# KiCad board FetsAndCrosses.kicad_pcb (continued)
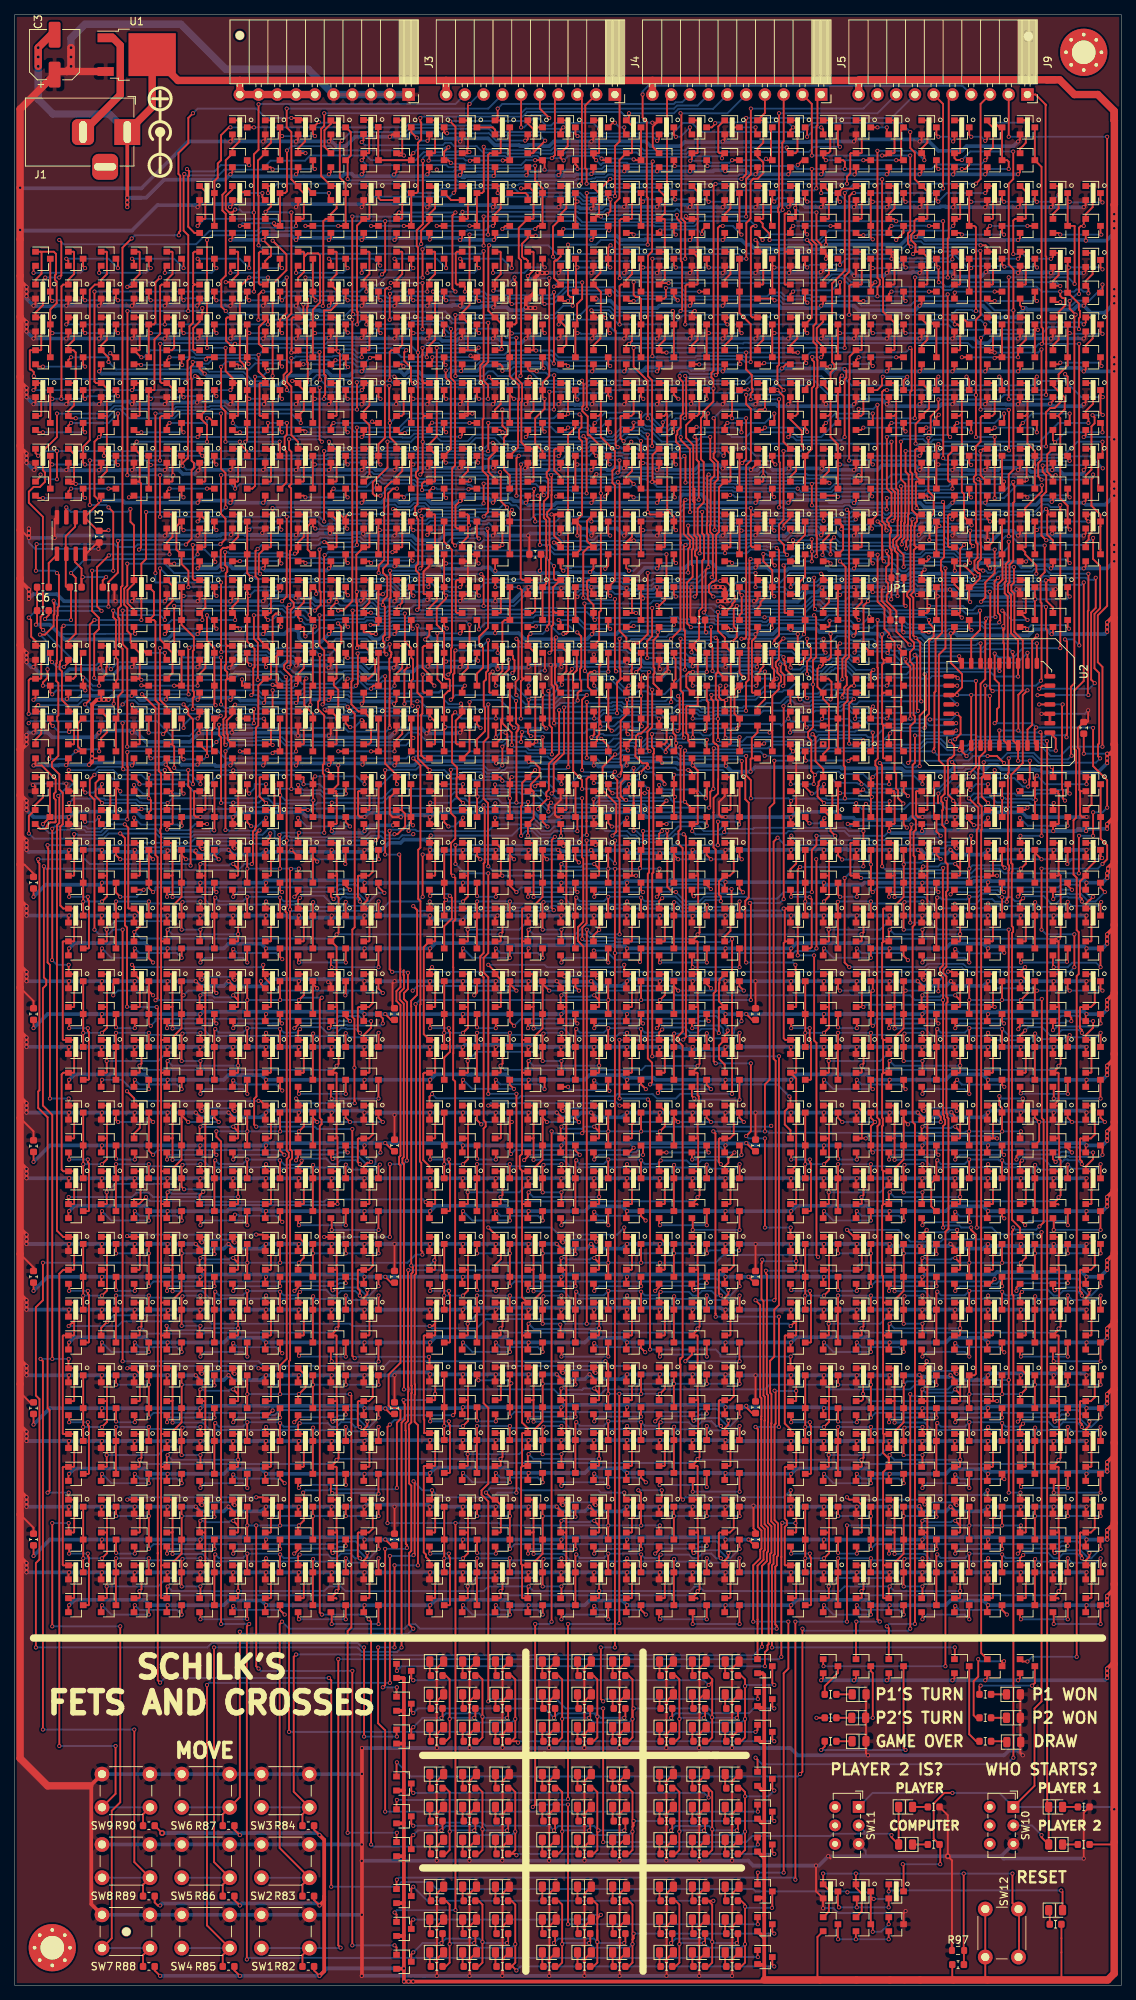
[diagram p0: board, top side]
## Nets (continued)
/PlayerMem_1/sheet5F18011D/sheet5EFB6E86/sheet5EFA557C/A: Q173.3 Q174.3 Q175.3 Q178.3 Q179.1 Q180.1 Q183.1 Q185.1 Q203.1 Q204.1
/PlayerMem_1/sheet5F18011D/sheet5EFB6E86/sheet5EFA6019/A: Q187.1 Q188.1 Q189.3 Q190.3 Q191.3 Q194.3 Q201.1 Q202.1
/PlayerMem_1/sheet5F18011D/sheet5F46F157/A: Q163.1 Q164.1 Q181.1 Q182.1 Q195.3 Q196.3 Q197.3 Q200.3
/PlayerMem_1/sheet5F18011D/sheet5F46F157/B: Q165.1 Q166.1 Q167.3 Q168.3 Q170.3
/PlayerMem_1/sheet5F18011E/sheet5EFB6E86/D: Q171.3 Q172.3 Q206.3 Q235.1 Q236.1
/PlayerMem_1/sheet5F18011E/sheet5EFB6E86/sheet5EFA4EF6/A: Q215.1 Q217.1 Q243.3 Q244.3 Q246.3
/PlayerMem_1/sheet5F18011E/sheet5EFB6E86/sheet5EFA5AF5/A: Q225.3 Q226.3 Q227.3 Q230.3 Q231.1 Q233.1 Q241.1 Q242.1
/PlayerMem_1/sheet5F18011E/sheet5EFB6E86/sheet5EFA557C/A: Q215.3 Q216.3 Q217.3 Q220.3 Q221.1 Q222.1 Q225.1 Q227.1 Q245.1 Q246.1
/PlayerMem_1/sheet5F18011E/sheet5EFB6E86/sheet5EFA6019/A: Q229.1 Q230.1 Q231.3 Q232.3 Q233.3 Q236.3 Q243.1 Q244.1
/PlayerMem_1/sheet5F18011E/sheet5F46F157/A: Q171.1 Q172.1 Q223.1 Q224.1 Q237.3 Q238.3 Q239.3 Q242.3
/PlayerMem_1/sheet5F18011E/sheet5F46F157/B: Q205.1 Q206.1 Q207.3 Q208.3 Q210.3
/PlayerMem_1/~{R}: Q1.3 Q2.3 Q6.1 Q8.1 Q22.1 Q24.1 Q28.1 Q30.1 Q48.1 Q50.1 Q64.1 Q66.1 Q70.1 Q72.1 Q90.1 Q92.1 Q106.1 Q108.1 Q112.1 Q114.1 Q132.1 Q134.1 Q148.1 Q150.1 Q154.1 Q156.1 Q174.1 Q176.1 Q190.1 Q192.1 Q196.1 Q198.1 Q216.1 Q218.1 Q232.1 Q234.1 Q238.1 Q240.1 Q258.1 Q260.1 Q274.1 Q276.1 Q280.1 Q282.1 Q300.1 Q302.1 Q316.1 Q318.1 Q322.1 Q324.1 Q342.1 Q344.1 Q358.1 Q360.1 Q364.1 Q366.1
/PlayerMem_2/0: J5.1 Q495.1 Q496.1 Q547.1 Q549.1 Q577.1 Q579.1 Q589.1 Q591.1 Q715.1 Q716.1 Q949.3 Q950.3 Q952.3 Q965.1 Q967.1 Q1322.1 U2.26
/PlayerMem_2/1: J5.2 Q517.1 Q518.1 Q548.1 Q550.1 Q559.1 Q561.1 Q767.1 Q768.1 Q991.3 Q992.3 Q994.3 Q1007.1 Q1009.1 Q1324.1 U2.23
/PlayerMem_2/2: J5.3 Q545.1 Q546.1 Q551.1 Q552.1 Q565.1 Q567.1 Q587.1 Q588.1 Q719.1 Q720.1 Q1033.3 Q1034.3 Q1036.3 Q1049.1 Q1051.1 Q1326.1 U2.25
/PlayerMem_2/3: J5.4 Q521.1 Q522.1 Q553.1 Q555.1 Q578.1 Q580.1 Q723.1 Q724.1 Q1075.3 Q1076.3 Q1078.3 Q1091.1 Q1093.1 Q1328.1 U2.4
/PlayerMem_2/Sheet5EFB6D22/sheet5EFB6E86/D: Q963.1 Q964.1 Q1103.3 Q1104.3 Q1106.3
/PlayerMem_2/Sheet5EFB6D22/sheet5EFB6E86/sheet5EFA4EF6/A: Q943.1 Q945.1 Q971.3 Q972.3 Q974.3
/PlayerMem_2/Sheet5EFB6D22/sheet5EFB6E86/sheet5EFA5AF5/A: Q953.3 Q954.3 Q955.3 Q958.3 Q959.1 Q961.1 Q969.1 Q970.1
/PlayerMem_2/Sheet5EFB6D22/sheet5EFB6E86/sheet5EFA557C/A: Q943.3 Q944.3 Q945.3 Q948.3 Q949.1 Q950.1 Q953.1 Q955.1 Q973.1 Q974.1
/PlayerMem_2/Sheet5EFB6D22/sheet5EFB6E86/sheet5EFA6019/A: Q957.1 Q958.1 Q959.3 Q960.3 Q961.3 Q964.3 Q971.1 Q972.1
/PlayerMem_2/Sheet5EFB6D22/sheet5F46F157/A: Q951.1 Q952.1 Q965.3 Q966.3 Q967.3 Q970.3 Q1103.1 Q1104.1
/PlayerMem_2/Sheet5EFB6D22/sheet5F46F157/B: Q1105.1 Q1106.1 Q1107.3 Q1108.3 Q1110.3
/PlayerMem_2/sheet5F17B538/sheet5EFB6E86/D: Q1005.1 Q1006.1 Q1143.3 Q1144.3 Q1146.3
/PlayerMem_2/sheet5F17B538/sheet5EFB6E86/sheet5EFA4EF6/A: Q985.1 Q987.1 Q1013.3 Q1014.3 Q1016.3
/PlayerMem_2/sheet5F17B538/sheet5EFB6E86/sheet5EFA5AF5/A: Q995.3 Q996.3 Q997.3 Q1000.3 Q1001.1 Q1003.1 Q1011.1 Q1012.1
/PlayerMem_2/sheet5F17B538/sheet5EFB6E86/sheet5EFA557C/A: Q985.3 Q986.3 Q987.3 Q990.3 Q991.1 Q992.1 Q995.1 Q997.1 Q1015.1 Q1016.1
/PlayerMem_2/sheet5F17B538/sheet5EFB6E86/sheet5EFA6019/A: Q999.1 Q1000.1 Q1001.3 Q1002.3 Q1003.3 Q1006.3 Q1013.1 Q1014.1
/PlayerMem_2/sheet5F17B538/sheet5F46F157/A: Q993.1 Q994.1 Q1007.3 Q1008.3 Q1009.3 Q1012.3 Q1143.1 Q1144.1
/PlayerMem_2/sheet5F17B538/sheet5F46F157/B: Q1145.1 Q1146.1 Q1147.3 Q1148.3 Q1150.3
/PlayerMem_2/sheet5F17D798/sheet5EFB6E86/D: Q1047.1 Q1048.1 Q1151.3 Q1152.3 Q1186.3
/PlayerMem_2/sheet5F17D798/sheet5EFB6E86/sheet5EFA4EF6/A: Q1027.1 Q1029.1 Q1055.3 Q1056.3 Q1058.3
/PlayerMem_2/sheet5F17D798/sheet5EFB6E86/sheet5EFA5AF5/A: Q1037.3 Q1038.3 Q1039.3 Q1042.3 Q1043.1 Q1045.1 Q1053.1 Q1054.1
/PlayerMem_2/sheet5F17D798/sheet5EFB6E86/sheet5EFA557C/A: Q1027.3 Q1028.3 Q1029.3 Q1032.3 Q1033.1 Q1034.1 Q1037.1 Q1039.1 Q1057.1 Q1058.1
/PlayerMem_2/sheet5F17D798/sheet5EFB6E86/sheet5EFA6019/A: Q1041.1 Q1042.1 Q1043.3 Q1044.3 Q1045.3 Q1048.3 Q1055.1 Q1056.1
/PlayerMem_2/sheet5F17D798/sheet5F46F157/A: Q1035.1 Q1036.1 Q1049.3 Q1050.3 Q1051.3 Q1054.3 Q1151.1 Q1152.1
/PlayerMem_2/sheet5F17D798/sheet5F46F157/B: Q1185.1 Q1186.1 Q1187.3 Q1188.3 Q1190.3
/PlayerMem_2/sheet5F1827A6/sheet5EFB6E86/D: Q1215.1 Q1216.1 Q1311.3 Q1312.3 Q1314.3
/PlayerMem_2/sheet5F1827A6/sheet5EFB6E86/sheet5EFA4EF6/A: Q1195.1 Q1197.1 Q1223.3 Q1224.3 Q1226.3
/PlayerMem_2/sheet5F1827A6/sheet5EFB6E86/sheet5EFA5AF5/A: Q1205.3 Q1206.3 Q1207.3 Q1210.3 Q1211.1 Q1213.1 Q1221.1 Q1222.1
/PlayerMem_2/sheet5F1827A6/sheet5EFB6E86/sheet5EFA557C/A: Q1195.3 Q1196.3 Q1197.3 Q1200.3 Q1201.1 Q1202.1 Q1205.1 Q1207.1 Q1225.1 Q1226.1
/PlayerMem_2/sheet5F1827A6/sheet5EFB6E86/sheet5EFA6019/A: Q1209.1 Q1210.1 Q1211.3 Q1212.3 Q1213.3 Q1216.3 Q1223.1 Q1224.1
/PlayerMem_2/sheet5F1827A6/sheet5F46F157/A: Q1203.1 Q1204.1 Q1217.3 Q1218.3 Q1219.3 Q1222.3 Q1311.1 Q1312.1
/PlayerMem_2/sheet5F1827A6/sheet5F46F157/B: Q1313.1 Q1314.1 Q1315.3 Q1316.3 Q1318.3
/PlayerMem_2/sheet5F1827A7/sheet5EFB6E86/D: Q1257.1 Q1258.1 Q1319.3 Q1320.3 Q1365.3
/PlayerMem_2/sheet5F1827A7/sheet5EFB6E86/sheet5EFA4EF6/A: Q1237.1 Q1239.1 Q1265.3 Q1266.3 Q1268.3
/PlayerMem_2/sheet5F1827A7/sheet5EFB6E86/sheet5EFA5AF5/A: Q1247.3 Q1248.3 Q1249.3 Q1252.3 Q1253.1 Q1255.1 Q1263.1 Q1264.1
/PlayerMem_2/sheet5F1827A7/sheet5EFB6E86/sheet5EFA557C/A: Q1237.3 Q1238.3 Q1239.3 Q1242.3 Q1243.1 Q1244.1 Q1247.1 Q1249.1 Q1267.1 Q1268.1
/PlayerMem_2/sheet5F1827A7/sheet5EFB6E86/sheet5EFA6019/A: Q1251.1 Q1252.1 Q1253.3 Q1254.3 Q1255.3 Q1258.3 Q1265.1 Q1266.1
/PlayerMem_2/sheet5F1827A7/sheet5F46F157/A: Q1245.1 Q1246.1 Q1259.3 Q1260.3 Q1261.3 Q1264.3 Q1319.1 Q1320.1
/PlayerMem_2/sheet5F1827A7/sheet5F46F157/B: Q1362.1 Q1365.1 Q1366.3 Q1367.3 Q1369.3
/PlayerMem_2/sheet5F1827A8/sheet5EFB6E86/D: Q1299.1 Q1300.1 Q1370.3 Q1371.3 Q1373.3
/PlayerMem_2/sheet5F1827A8/sheet5EFB6E86/sheet5EFA4EF6/A: Q1279.1 Q1281.1 Q1307.3 Q1308.3 Q1310.3
/PlayerMem_2/sheet5F1827A8/sheet5EFB6E86/sheet5EFA5AF5/A: Q1289.3 Q1290.3 Q1291.3 Q1294.3 Q1295.1 Q1297.1 Q1305.1 Q1306.1
/PlayerMem_2/sheet5F1827A8/sheet5EFB6E86/sheet5EFA557C/A: Q1279.3 Q1280.3 Q1281.3 Q1284.3 Q1285.1 Q1286.1 Q1289.1 Q1291.1 Q1309.1 Q1310.1
/PlayerMem_2/sheet5F1827A8/sheet5EFB6E86/sheet5EFA6019/A: Q1293.1 Q1294.1 Q1295.3 Q1296.3 Q1297.3 Q1300.3 Q1307.1 Q1308.1
/PlayerMem_2/sheet5F1827A8/sheet5F46F157/A: Q1287.1 Q1288.1 Q1301.3 Q1302.3 Q1303.3 Q1306.3 Q1370.1 Q1371.1
/PlayerMem_2/sheet5F1827A8/sheet5F46F157/B: Q1372.1 Q1373.1 Q1374.3 Q1375.3 Q1377.3
/PlayerMem_2/sheet5F18011C/sheet5EFB6E86/D: Q1089.1 Q1090.1 Q1191.3 Q1192.3 Q1194.3
/PlayerMem_2/sheet5F18011C/sheet5EFB6E86/sheet5EFA4EF6/A: Q1069.1 Q1071.1 Q1097.3 Q1098.3 Q1100.3
/PlayerMem_2/sheet5F18011C/sheet5EFB6E86/sheet5EFA5AF5/A: Q1079.3 Q1080.3 Q1081.3 Q1084.3 Q1085.1 Q1087.1 Q1095.1 Q1096.1
/PlayerMem_2/sheet5F18011C/sheet5EFB6E86/sheet5EFA557C/A: Q1069.3 Q1070.3 Q1071.3 Q1074.3 Q1075.1 Q1076.1 Q1079.1 Q1081.1 Q1099.1 Q1100.1
/PlayerMem_2/sheet5F18011C/sheet5EFB6E86/sheet5EFA6019/A: Q1083.1 Q1084.1 Q1085.3 Q1086.3 Q1087.3 Q1090.3 Q1097.1 Q1098.1
/PlayerMem_2/sheet5F18011C/sheet5F46F157/A: Q1077.1 Q1078.1 Q1091.3 Q1092.3 Q1093.3 Q1096.3 Q1191.1 Q1192.1
/PlayerMem_2/sheet5F18011C/sheet5F46F157/B: Q1193.1 Q1194.1 Q1227.3 Q1228.3 Q1230.3
/PlayerMem_2/sheet5F18011D/sheet5EFB6E86/D: Q1131.1 Q1132.1 Q1231.3 Q1232.3 Q1234.3
/PlayerMem_2/sheet5F18011D/sheet5EFB6E86/sheet5EFA4EF6/A: Q1111.1 Q1113.1 Q1139.3 Q1140.3 Q1142.3
/PlayerMem_2/sheet5F18011D/sheet5EFB6E86/sheet5EFA5AF5/A: Q1121.3 Q1122.3 Q1123.3 Q1126.3 Q1127.1 Q1129.1 Q1137.1 Q1138.1
/PlayerMem_2/sheet5F18011D/sheet5EFB6E86/sheet5EFA557C/A: Q1111.3 Q1112.3 Q1113.3 Q1116.3 Q1117.1 Q1118.1 Q1121.1 Q1123.1 Q1141.1 Q1142.1
/PlayerMem_2/sheet5F18011D/sheet5EFB6E86/sheet5EFA6019/A: Q1125.1 Q1126.1 Q1127.3 Q1128.3 Q1129.3 Q1132.3 Q1139.1 Q1140.1
/PlayerMem_2/sheet5F18011D/sheet5F46F157/A: Q1119.1 Q1120.1 Q1133.3 Q1134.3 Q1135.3 Q1138.3 Q1231.1 Q1232.1
/PlayerMem_2/sheet5F18011D/sheet5F46F157/B: Q1233.1 Q1234.1 Q1235.3 Q1236.3 Q1270.3
/PlayerMem_2/sheet5F18011E/sheet5EFB6E86/D: Q1173.1 Q1174.1 Q1271.3 Q1272.3 Q1274.3
/PlayerMem_2/sheet5F18011E/sheet5EFB6E86/sheet5EFA4EF6/A: Q1153.1 Q1155.1 Q1181.3 Q1182.3 Q1184.3
/PlayerMem_2/sheet5F18011E/sheet5EFB6E86/sheet5EFA5AF5/A: Q1163.3 Q1164.3 Q1165.3 Q1168.3 Q1169.1 Q1171.1 Q1179.1 Q1180.1
/PlayerMem_2/sheet5F18011E/sheet5EFB6E86/sheet5EFA557C/A: Q1153.3 Q1154.3 Q1155.3 Q1158.3 Q1159.1 Q1160.1 Q1163.1 Q1165.1 Q1183.1 Q1184.1
/PlayerMem_2/sheet5F18011E/sheet5EFB6E86/sheet5EFA6019/A: Q1167.1 Q1168.1 Q1169.3 Q1170.3 Q1171.3 Q1174.3 Q1181.1 Q1182.1
/PlayerMem_2/sheet5F18011E/sheet5F46F157/A: Q1161.1 Q1162.1 Q1175.3 Q1176.3 Q1177.3 Q1180.3 Q1271.1 Q1272.1
/PlayerMem_2/sheet5F18011E/sheet5F46F157/B: Q1273.1 Q1274.1 Q1275.3 Q1276.3 Q1278.3
/PlayerMem_2/~{R}: Q939.3 Q940.3 Q944.1 Q946.1 Q960.1 Q962.1 Q966.1 Q968.1 Q986.1 Q988.1 Q1002.1 Q1004.1 Q1008.1 Q1010.1 Q1028.1 Q1030.1 Q1044.1 Q1046.1 Q1050.1 Q1052.1 Q1070.1 Q1072.1 Q1086.1 Q1088.1 Q1092.1 Q1094.1 Q1112.1 Q1114.1 Q1128.1 Q1130.1 Q1134.1 Q1136.1 Q1154.1 Q1156.1 Q1170.1 Q1172.1 Q1176.1 Q1178.1 Q1196.1 Q1198.1 Q1212.1 Q1214.1 Q1218.1 Q1220.1 Q1238.1 Q1240.1 Q1254.1 Q1256.1 Q1260.1 Q1262.1 Q1280.1 Q1282.1 Q1296.1 Q1298.1 Q1302.1 Q1304.1
/PlayerMoveLegal/OK: Q657.1 Q658.1 Q833.3 Q834.3
/PlayerMoveLegal/Sheet5ED65E75/0: Q771.3 Q772.3 Q774.3 Q817.1 Q820.1
/PlayerMoveLegal/Sheet5ED65E75/1: Q811.1 Q819.1 Q823.3 Q824.3 Q826.3
/PlayerMoveLegal/Sheet5ED65E75/2: Q775.3 Q776.3 Q778.3 Q805.1 Q818.1
/PlayerMoveLegal/Sheet5ED65E75/3: Q779.3 Q780.3 Q782.3 Q814.1 Q816.1
/PlayerMoveLegal/Sheet5ED65E75/4: Q783.3 Q784.3 Q786.3 Q810.1 Q813.1
/PlayerMoveLegal/Sheet5ED65E75/5: Q787.3 Q788.3 Q790.3 Q804.1 Q812.1
/PlayerMoveLegal/Sheet5ED65E75/6: Q791.3 Q792.3 Q794.3 Q808.1 Q815.1
/PlayerMoveLegal/Sheet5ED65E75/7: Q795.3 Q796.3 Q798.3 Q807.1 Q809.1
/PlayerMoveLegal/Sheet5ED65E75/8: Q799.3 Q800.3 Q802.3 Q803.1 Q806.1
/PlayerMoveLegal/Sheet5ED65E75/sheet5ED67BE9/sheet5E6DB9E4/A: Q803.3 Q804.3 Q805.3 Q806.3 Q809.3 Q810.3 Q811.3 Q815.3 Q816.3 Q817.3 Q821.1 Q822.1
/PlayerMoveLegal/sheet5EDA7F4E/0: Q715.3 Q716.3 Q718.3 Q761.1 Q764.1
/PlayerMoveLegal/sheet5EDA7F4E/1: Q755.1 Q763.1 Q767.3 Q768.3 Q770.3
/PlayerMoveLegal/sheet5EDA7F4E/2: Q719.3 Q720.3 Q722.3 Q749.1 Q762.1
/PlayerMoveLegal/sheet5EDA7F4E/3: Q723.3 Q724.3 Q726.3 Q758.1 Q760.1
/PlayerMoveLegal/sheet5EDA7F4E/4: Q727.3 Q728.3 Q730.3 Q754.1 Q757.1
/PlayerMoveLegal/sheet5EDA7F4E/5: Q731.3 Q732.3 Q734.3 Q748.1 Q756.1
/PlayerMoveLegal/sheet5EDA7F4E/6: Q735.3 Q736.3 Q738.3 Q752.1 Q759.1
/PlayerMoveLegal/sheet5EDA7F4E/7: Q739.3 Q740.3 Q742.3 Q751.1 Q753.1
/PlayerMoveLegal/sheet5EDA7F4E/8: Q743.3 Q744.3 Q746.3 Q747.1 Q750.1
/PlayerMoveLegal/sheet5EDA7F4E/sheet5ED67BE9/sheet5E6DB9E4/A: Q747.3 Q748.3 Q749.3 Q750.3 Q753.3 Q754.3 Q755.3 Q759.3 Q760.3 Q761.3 Q765.1 Q766.1
/PlayerMoveLegal/Sheet5EDA893C/sheet5EDAA563/sheet5E562435/A: Q883.1 Q884.1 Q885.3 Q887.3 Q888.3
/PlayerMoveLegal/Sheet5EDA893C/sheet5EDAAE2B/A: Q837.1 Q838.1 Q883.3 Q884.3 Q893.1 Q894.1
/PlayerMoveLegal/Sheet5EDA893C/sheet5EDAAE2B/sheet5E562435/A: Q835.1 Q836.1 Q837.3 Q839.3 Q840.3
/PlayerMoveLegal/Sheet5EDA893C/sheet5EDAC22B/A: Q841.3 Q842.3 Q849.1 Q850.1 Q901.1 Q902.1
/PlayerMoveLegal/Sheet5EDA893C/sheet5EDAC22B/sheet5E562435/A: Q847.1 Q848.1 Q849.3 Q851.3 Q852.3
/PlayerMoveLegal/Sheet5EDA893C/sheet5EDAC229/A: Q835.3 Q836.3 Q843.1 Q844.1 Q897.1 Q898.1
/PlayerMoveLegal/Sheet5EDA893C/sheet5EDAC229/sheet5E562435/A: Q841.1 Q842.1 Q843.3 Q845.3 Q846.3
/PlayerMoveLegal/Sheet5EDA893C/sheet5EDAD6E0/A: Q847.3 Q848.3 Q855.1 Q856.1 Q905.1 Q906.1
/PlayerMoveLegal/Sheet5EDA893C/sheet5EDAD6E0/sheet5E562435/A: Q853.1 Q854.1 Q855.3 Q857.3 Q858.3
/PlayerMoveLegal/Sheet5EDA893C/sheet5EDAD6E2/A: Q853.3 Q854.3 Q861.1 Q862.1 Q909.1 Q910.1
/PlayerMoveLegal/Sheet5EDA893C/sheet5EDAD6E2/sheet5E562435/A: Q859.1 Q860.1 Q861.3 Q863.3 Q864.3
/PlayerMoveLegal/Sheet5EDA893C/sheet5EDAD6E4/A: Q859.3 Q860.3 Q867.1 Q868.1 Q913.1 Q914.1
/PlayerMoveLegal/Sheet5EDA893C/sheet5EDAD6E4/sheet5E562435/A: Q865.1 Q866.1 Q867.3 Q869.3 Q870.3
/PlayerMoveLegal/Sheet5EDA893C/sheet5EDAD6E6/A: Q865.3 Q866.3 Q873.1 Q874.1 Q917.1 Q918.1
/PlayerMoveLegal/Sheet5EDA893C/sheet5EDAD6E6/sheet5E562435/A: Q871.1 Q872.1 Q873.3 Q875.3 Q876.3
/PlayerMoveLegal/Sheet5EDA893C/sheet5EDF7332/A: Q879.1 Q880.1 Q937.3 Q938.3
/PlayerMoveLegal/Sheet5EDA893C/sheet5EDF7332/B: Q871.3 Q872.3 Q881.1 Q882.1
/PlayerMoveLegal/Sheet5EDA893C/sheet5EDF7332/sheet5E561706/A: Q877.1 Q878.1 Q879.3 Q880.3 Q882.3
/PlayerMoveLegal/Sheet5EDA893C/sheet5EE7B32C/0: Q889.3 Q890.3 Q892.3 Q933.1 Q936.1
/PlayerMoveLegal/Sheet5EDA893C/sheet5EE7B32C/1: Q893.3 Q894.3 Q896.3 Q927.1 Q935.1
/PlayerMoveLegal/Sheet5EDA893C/sheet5EE7B32C/2: Q897.3 Q898.3 Q900.3 Q922.1 Q934.1
/PlayerMoveLegal/Sheet5EDA893C/sheet5EE7B32C/3: Q901.3 Q902.3 Q904.3 Q930.1 Q932.1
/PlayerMoveLegal/Sheet5EDA893C/sheet5EE7B32C/4: Q905.3 Q906.3 Q908.3 Q926.1 Q929.1
/PlayerMoveLegal/Sheet5EDA893C/sheet5EE7B32C/5: Q909.3 Q910.3 Q912.3 Q921.1 Q928.1
/PlayerMoveLegal/Sheet5EDA893C/sheet5EE7B32C/6: Q913.3 Q914.3 Q916.3 Q924.1 Q931.1
/PlayerMoveLegal/Sheet5EDA893C/sheet5EE7B32C/7: Q917.3 Q918.3 Q920.3 Q923.1 Q925.1
/PlayerMoveLegal/Sheet5EDA893C/sheet5EE7B32C/sheet5EE76842/A: Q921.3 Q922.3 Q923.3 Q925.3 Q926.3 Q927.3 Q931.3 Q932.3 Q933.3 Q937.1 Q938.1
/PlayerMoveLegal/sheet5EE55524/A: Q821.3 Q822.3 Q827.1 Q829.1
/PlayerMoveLegal/sheet5EE55524/B: Q765.3 Q766.3 Q828.1 Q830.1
/PlayerMoveLegal/sheet5EE55524/C: Q831.1 Q832.1 Q877.3 Q878.3
/PlayerMoveLegal/sheet5EE55524/sheet5EE534A3/A: Q827.3 Q828.3 Q829.3 Q832.3 Q833.1 Q834.1
/StateMaschine/GameOver: Q427.3 Q428.3 Q669.1 Q670.1 Q1340.1
/StateMaschine/P1Turn: Q679.3 Q680.3 Q1344.1
/StateMaschine/P1WriteEN: Q41.1 Q42.1 Q81.1 Q82.1 Q121.1 Q122.1 Q129.1 Q130.1 Q169.1 Q170.1 Q209.1 Q210.1 Q249.1 Q250.1 Q289.1 Q290.1 Q297.1 Q298.1 Q667.3 Q668.3
/StateMaschine/P2_Starts: D82.1 D83.2 Q647.1 Q648.1 Q677.1 Q678.1 SW10.2
/StateMaschine/P2Turn: Q685.3 Q686.3 Q1345.1
/StateMaschine/P2WriteEN: Q697.3 Q698.3 Q1109.1 Q1110.1 Q1149.1 Q1150.1 Q1189.1 Q1190.1 Q1229.1 Q1230.1 Q1269.1 Q1270.1 Q1277.1 Q1278.1 Q1317.1 Q1318.1 Q1368.1 Q1369.1 Q1376.1 Q1377.1
/StateMaschine/sheet5F22CC70/D: Q624.1 Q626.1 Q699.3 Q700.3 Q702.3
/StateMaschine/sheet5F22CC70/sheet5EFA4EF6/A: Q611.1 Q613.1 Q641.3 Q642.3 Q643.3 Q646.3
/StateMaschine/sheet5F22CC70/sheet5EFA5A03/A: Q611.3 Q612.3 Q613.3 Q616.3 Q617.1 Q619.1 Q636.1 Q638.1 Q645.1 Q646.1
/StateMaschine/sheet5F22CC70/sheet5EFA5AF5/A: Q617.3 Q618.3 Q619.3 Q622.3 Q623.1 Q625.1 Q630.1 Q632.1
/StateMaschine/sheet5F22CC70/sheet5F21B607/B: Q621.1 Q622.1 Q623.3 Q624.3 Q625.3 Q628.3 Q642.1 Q644.1
/StateMaschine/sheet5F22E6EC/A: Q629.1 Q631.1 Q635.3 Q636.3 Q637.3 Q640.3 Q651.1 Q652.1 Q689.1 Q690.1 Q691.1 Q693.1 Q703.1 Q704.1 Q707.1 Q708.1
/StateMaschine/sheet5F22E6EC/sheet5E561706/A: Q649.1 Q650.1 Q651.3 Q652.3 Q654.3
/StateMaschine/sheet5F22E6ED/B: Q649.3 Q650.3 Q659.1 Q660.1
/StateMaschine/sheet5F22E6ED/sheet5E562435/A: Q655.1 Q656.1 Q657.3 Q659.3 Q660.3
/StateMaschine/sheet5F22E6EE/A: Q629.3 Q630.3 Q631.3 Q634.3 Q639.1 Q640.1 Q661.1 Q663.1 Q681.1 Q682.1
/StateMaschine/sheet5F22E6EE/sheet5EE534A3/A: Q661.3 Q662.3 Q663.3 Q666.3 Q667.1 Q668.1
/StateMaschine/sheet5F22EFC8/B: Q647.3 Q648.3 Q673.1 Q674.1
/StateMaschine/sheet5F22EFC8/Q: Q615.1 Q616.1 Q627.1 Q628.1 Q633.1 Q634.1 Q671.3 Q672.3 Q674.3
/StateMaschine/sheet5F22F09C/Q: Q635.1 Q637.1 Q641.1 Q643.1 Q675.3 Q676.3 Q678.3
/StateMaschine/sheet5F232E2B/sheet5E561706/A: Q679.1 Q680.1 Q681.3 Q682.3 Q684.3
/StateMaschine/sheet5F235ECF/sheet5EE534A3/A: Q691.3 Q692.3 Q693.3 Q696.3 Q697.1 Q698.1
/StateMaschine/sheet5F244B0F/A: Q703.3 Q704.3 Q706.3 Q709.1 Q710.1 Q711.1 Q712.1
/StateMaschine/sheet5F23319C/A: Q662.1 Q664.1 Q669.3 Q670.3 Q683.1 Q684.1 Q687.1 Q688.1 Q692.1 Q694.1
/StateMaschine/sheet5F23319C/sheet5E561706/A: Q685.1 Q686.1 Q687.3 Q688.3 Q690.3
/StateMaschine/sheet5F24372D/A: Q699.1 Q700.1 Q707.3 Q708.3 Q710.3
/StateMaschine/sheet5F24372D/B: Q701.1 Q702.1 Q711.3 Q712.3 Q714.3
/StateMaschine/sheet5F24372E/B: Q655.3 Q656.3 Q665.1 Q666.1 Q695.1 Q696.1 Q705.1 Q706.1 Q713.1 Q714.1
/UI.sch/UI_BoardLEDCELL_0/O: Q1321.3 R2.2 R4.2 R6.2 R8.2
/UI.sch/UI_BoardLEDCELL_0/X: Q1322.3 R1.2 R3.2 R5.2 R7.2 R9.2
/UI.sch/UI_BoardLEDCELL_1/O: Q1323.3 R11.2 R13.2 R15.2 R17.2
/UI.sch/UI_BoardLEDCELL_1/X: Q1324.3 R10.2 R12.2 R14.2 R16.2 R18.2
/UI.sch/UI_BoardLEDCELL_2/O: Q1325.3 R20.2 R22.2 R24.2 R26.2
/UI.sch/UI_BoardLEDCELL_2/X: Q1326.3 R19.2 R21.2 R23.2 R25.2 R27.2
/UI.sch/UI_BoardLEDCELL_3/O: Q1327.3 R29.2 R31.2 R33.2 R35.2
/UI.sch/UI_BoardLEDCELL_3/X: Q1328.3 R28.2 R30.2 R32.2 R34.2 R36.2
/UI.sch/UI_BoardLEDCELL_4/O: Q1329.3 R38.2 R40.2 R42.2 R44.2
/UI.sch/UI_BoardLEDCELL_4/X: Q1330.3 R37.2 R39.2 R41.2 R43.2 R45.2
/UI.sch/UI_BoardLEDCELL_5/O: Q1331.3 R47.2 R49.2 R51.2 R53.2
/UI.sch/UI_BoardLEDCELL_5/X: Q1332.3 R46.2 R48.2 R50.2 R52.2 R54.2
/UI.sch/UI_BoardLEDCELL_6/O: Q1333.3 R56.2 R58.2 R60.2 R62.2
/UI.sch/UI_BoardLEDCELL_6/X: Q1334.3 R55.2 R57.2 R59.2 R61.2 R63.2
/UI.sch/UI_BoardLEDCELL_7/O: Q1335.3 R65.2 R67.2 R69.2 R71.2
/UI.sch/UI_BoardLEDCELL_7/X: Q1336.3 R64.2 R66.2 R68.2 R70.2 R72.2
/UI.sch/UI_BoardLEDCELL_8/O: Q1337.3 R74.2 R76.2 R78.2 R80.2
/UI.sch/UI_BoardLEDCELL_8/X: Q1338.3 R73.2 R75.2 R77.2 R79.2 R81.2
/UI.sch/UI_Setup.sch/sheet6202921E/A: C1.1 Q1391.1 Q1392.1 Q1393.1 Q1394.1 R97.2 SW12.2
Net-(C6-Pad1): C6.1 U3.5
Net-(C8-Pad1): C8.1 R108.2 U3.2 U3.6
Net-(D1-Pad1): D1.1 R1.1
Net-(D2-Pad1): D2.1 R2.1
Net-(D3-Pad1): D3.1 R3.1
Net-(D4-Pad1): D4.1 R4.1
Net-(D5-Pad1): D5.1 R5.1
Net-(D6-Pad1): D6.1 R6.1
Net-(D7-Pad1): D7.1 R7.1
Net-(D8-Pad1): D8.1 R8.1
Net-(D9-Pad1): D9.1 R9.1
Net-(D10-Pad1): D10.1 R10.1
Net-(D11-Pad1): D11.1 R11.1
Net-(D12-Pad1): D12.1 R12.1
Net-(D13-Pad1): D13.1 R13.1
Net-(D14-Pad1): D14.1 R14.1
Net-(D15-Pad1): D15.1 R15.1
Net-(D16-Pad1): D16.1 R16.1
Net-(D17-Pad1): D17.1 R17.1
Net-(D18-Pad1): D18.1 R18.1
Net-(D19-Pad1): D19.1 R19.1
Net-(D20-Pad1): D20.1 R20.1
Net-(D21-Pad1): D21.1 R21.1
Net-(D22-Pad1): D22.1 R22.1
Net-(D23-Pad1): D23.1 R23.1
Net-(D24-Pad1): D24.1 R24.1
Net-(D25-Pad1): D25.1 R25.1
Net-(D26-Pad1): D26.1 R26.1
Net-(D27-Pad1): D27.1 R27.1
Net-(D28-Pad1): D28.1 R28.1
Net-(D29-Pad1): D29.1 R29.1
Net-(D30-Pad1): D30.1 R30.1
Net-(D31-Pad1): D31.1 R31.1
Net-(D32-Pad1): D32.1 R32.1
Net-(D33-Pad1): D33.1 R33.1
Net-(D34-Pad1): D34.1 R34.1
Net-(D35-Pad1): D35.1 R35.1
Net-(D36-Pad1): D36.1 R36.1
Net-(D37-Pad1): D37.1 R37.1
Net-(D38-Pad1): D38.1 R38.1
Net-(D39-Pad1): D39.1 R39.1
Net-(D40-Pad1): D40.1 R40.1
Net-(D41-Pad1): D41.1 R41.1
Net-(D42-Pad1): D42.1 R42.1
Net-(D43-Pad1): D43.1 R43.1
Net-(D44-Pad1): D44.1 R44.1
Net-(D45-Pad1): D45.1 R45.1
Net-(D46-Pad1): D46.1 R46.1
Net-(D47-Pad1): D47.1 R47.1
Net-(D48-Pad1): D48.1 R48.1
Net-(D49-Pad1): D49.1 R49.1
Net-(D50-Pad1): D50.1 R50.1
Net-(D51-Pad1): D51.1 R51.1
Net-(D52-Pad1): D52.1 R52.1
Net-(D53-Pad1): D53.1 R53.1
Net-(D54-Pad1): D54.1 R54.1
Net-(D55-Pad1): D55.1 R55.1
Net-(D56-Pad1): D56.1 R56.1
Net-(D57-Pad1): D57.1 R57.1
Net-(D58-Pad1): D58.1 R58.1
Net-(D59-Pad1): D59.1 R59.1
Net-(D60-Pad1): D60.1 R60.1
Net-(D61-Pad1): D61.1 R61.1
Net-(D62-Pad1): D62.1 R62.1
Net-(D63-Pad1): D63.1 R63.1
Net-(D64-Pad1): D64.1 R64.1
Net-(D65-Pad1): D65.1 R65.1
Net-(D66-Pad1): D66.1 R66.1
Net-(D67-Pad1): D67.1 R67.1
Net-(D68-Pad1): D68.1 R68.1
Net-(D69-Pad1): D69.1 R69.1
Net-(D70-Pad1): D70.1 R70.1
Net-(D71-Pad1): D71.1 R71.1
Net-(D72-Pad1): D72.1 R72.1
Net-(D73-Pad1): D73.1 R73.1
Net-(D74-Pad1): D74.1 R74.1
Net-(D75-Pad1): D75.1 R75.1
Net-(D76-Pad1): D76.1 R76.1
Net-(D77-Pad1): D77.1 R77.1
Net-(D78-Pad1): D78.1 R78.1
Net-(D79-Pad1): D79.1 R79.1
Net-(D80-Pad1): D80.1 R80.1
Net-(D81-Pad1): D81.1 R81.1
Net-(D82-Pad2): D82.2 R91.1
Net-(D83-Pad1): D83.1 R92.1
Net-(D84-Pad2): D84.2 R93.1
Net-(D85-Pad1): D85.1 R94.1
Net-(D86-Pad1): D86.1 R96.1
Net-(D89-Pad1): D89.1 R99.1
Net-(D92-Pad1): D92.1 R102.1
Net-(D93-Pad1): D93.1 R103.1
Net-(D94-Pad1): D94.1 R104.1
Net-(D95-Pad1): D95.1 R105.1
Net-(D96-Pad1): D96.1 R106.1
Net-(J1-Pad2): J1.2 U1.1
Net-(Q7-Pad2): Q7.2 Q8.3
Net-(Q8-Pad2): Q8.2 Q9.3
Net-(Q12-Pad2): Q12.2 Q13.3
Net-(Q17-Pad2): Q17.2 Q18.3
Net-(Q18-Pad2): Q18.2 Q19.3
Net-(Q23-Pad2): Q23.2 Q24.3
Net-(Q24-Pad2): Q24.2 Q25.3
Net-(Q29-Pad2): Q29.2 Q30.3
Net-(Q30-Pad2): Q30.2 Q31.3
Net-(Q34-Pad2): Q34.2 Q35.3
Net-(Q37-Pad3): Q4.2 Q37.3
Net-(Q40-Pad2): Q40.2 Q41.3
Net-(Q44-Pad2): Q44.2 Q45.3
Net-(Q49-Pad2): Q49.2 Q50.3
Net-(Q50-Pad2): Q50.2 Q51.3
Net-(Q54-Pad2): Q54.2 Q55.3
Net-(Q59-Pad2): Q59.2 Q60.3
Net-(Q60-Pad2): Q60.2 Q61.3
Net-(Q65-Pad2): Q65.2 Q66.3
Net-(Q66-Pad2): Q66.2 Q67.3
Net-(Q71-Pad2): Q71.2 Q72.3
Net-(Q72-Pad2): Q72.2 Q73.3
Net-(Q76-Pad2): Q76.2 Q77.3
Net-(Q80-Pad2): Q80.2 Q81.3
Net-(Q84-Pad2): Q84.2 Q85.3
Net-(Q91-Pad2): Q91.2 Q92.3
Net-(Q92-Pad2): Q92.2 Q93.3
Net-(Q96-Pad2): Q96.2 Q97.3
Net-(Q101-Pad2): Q101.2 Q102.3
Net-(Q102-Pad2): Q102.2 Q103.3
Net-(Q107-Pad2): Q107.2 Q108.3
Net-(Q108-Pad2): Q108.2 Q109.3
Net-(Q113-Pad2): Q113.2 Q114.3
Net-(Q114-Pad2): Q114.2 Q115.3
Net-(Q118-Pad2): Q118.2 Q119.3
Net-(Q121-Pad3): Q88.2 Q121.3
Net-(Q124-Pad2): Q124.2 Q125.3
Net-(Q128-Pad2): Q128.2 Q129.3
Net-(Q133-Pad2): Q133.2 Q134.3
Net-(Q134-Pad2): Q134.2 Q135.3
Net-(Q138-Pad2): Q138.2 Q139.3
Net-(Q143-Pad2): Q143.2 Q144.3
Net-(Q144-Pad2): Q144.2 Q145.3
Net-(Q149-Pad2): Q149.2 Q150.3
Net-(Q150-Pad2): Q150.2 Q151.3
Net-(Q155-Pad2): Q155.2 Q156.3
Net-(Q156-Pad2): Q156.2 Q157.3
Net-(Q160-Pad2): Q160.2 Q161.3
Net-(Q164-Pad2): Q164.2 Q165.3
Net-(Q168-Pad2): Q168.2 Q169.3
Net-(Q172-Pad2): Q172.2 Q205.3
Net-(Q175-Pad2): Q175.2 Q176.3
Net-(Q176-Pad2): Q176.2 Q177.3
Net-(Q180-Pad2): Q180.2 Q181.3
Net-(Q185-Pad2): Q185.2 Q186.3
Net-(Q186-Pad2): Q186.2 Q187.3
Net-(Q191-Pad2): Q191.2 Q192.3
Net-(Q192-Pad2): Q192.2 Q193.3
Net-(Q197-Pad2): Q197.2 Q198.3
Net-(Q198-Pad2): Q198.2 Q199.3
Net-(Q202-Pad2): Q202.2 Q203.3
Net-(Q208-Pad2): Q208.2 Q209.3
Net-(Q212-Pad2): Q212.2 Q213.3
Net-(Q217-Pad2): Q217.2 Q218.3
Net-(Q218-Pad2): Q218.2 Q219.3
Net-(Q222-Pad2): Q222.2 Q223.3
Net-(Q227-Pad2): Q227.2 Q228.3
Net-(Q228-Pad2): Q228.2 Q229.3
Net-(Q233-Pad2): Q233.2 Q234.3
Net-(Q234-Pad2): Q234.2 Q235.3
Net-(Q239-Pad2): Q239.2 Q240.3
Net-(Q240-Pad2): Q240.2 Q241.3
Net-(Q244-Pad2): Q244.2 Q245.3
Net-(Q248-Pad2): Q248.2 Q249.3
Net-(Q252-Pad2): Q252.2 Q253.3
Net-(Q256-Pad2): Q256.2 Q289.3
Net-(Q259-Pad2): Q259.2 Q260.3
Net-(Q260-Pad2): Q260.2 Q261.3
Net-(Q264-Pad2): Q264.2 Q265.3
Net-(Q269-Pad2): Q269.2 Q270.3
Net-(Q270-Pad2): Q270.2 Q271.3
Net-(Q275-Pad2): Q275.2 Q276.3
Net-(Q276-Pad2): Q276.2 Q277.3
Net-(Q281-Pad2): Q281.2 Q282.3
Net-(Q282-Pad2): Q282.2 Q283.3
Net-(Q286-Pad2): Q286.2 Q287.3
Net-(Q292-Pad2): Q292.2 Q293.3
Net-(Q296-Pad2): Q296.2 Q297.3
Net-(Q301-Pad2): Q301.2 Q302.3
Net-(Q302-Pad2): Q302.2 Q303.3
Net-(Q306-Pad2): Q306.2 Q307.3
Net-(Q311-Pad2): Q311.2 Q312.3
Net-(Q312-Pad2): Q312.2 Q313.3
Net-(Q317-Pad2): Q317.2 Q318.3
Net-(Q318-Pad2): Q318.2 Q319.3
Net-(Q323-Pad2): Q323.2 Q324.3
Net-(Q324-Pad2): Q324.2 Q325.3
Net-(Q328-Pad2): Q328.2 Q329.3
Net-(Q331-Pad3): Q331.3 Q383.2
Net-(Q332-Pad3): Q332.3 Q386.2
Net-(Q333-Pad3): Q333.3 Q385.2
Net-(Q334-Pad3): Q334.3 Q384.2
Net-(Q337-Pad3): Q337.3 Q387.2
Net-(Q338-Pad3): Q338.3 Q390.2
Net-(Q339-Pad3): Q339.3 Q389.2
Net-(Q340-Pad3): Q340.3 Q388.2
Net-(Q343-Pad2): Q343.2 Q344.3
Net-(Q344-Pad2): Q344.2 Q345.3
Net-(Q348-Pad2): Q348.2 Q349.3
Net-(Q353-Pad2): Q353.2 Q354.3
Net-(Q354-Pad2): Q354.2 Q355.3
Net-(Q359-Pad2): Q359.2 Q360.3
Net-(Q360-Pad2): Q360.2 Q361.3
Net-(Q365-Pad2): Q365.2 Q366.3
Net-(Q366-Pad2): Q366.2 Q367.3
Net-(Q370-Pad2): Q370.2 Q371.3
Net-(Q375-Pad3): Q375.3 Q391.2
Net-(Q376-Pad3): Q376.3 Q394.2
Net-(Q377-Pad3): Q377.3 Q393.2
Net-(Q378-Pad3): Q378.3 Q392.2
Net-(Q381-Pad3): Q381.3 Q395.2
Net-(Q382-Pad3): Q382.3 Q398.2
Net-(Q396-Pad2): Q396.2 Q942.3
Net-(Q397-Pad2): Q397.2 Q941.3
Net-(Q399-Pad2): Q399.2 Q977.3
Net-(Q400-Pad2): Q400.2 Q980.3
Net-(Q401-Pad2): Q401.2 Q979.3
Net-(Q402-Pad2): Q402.2 Q978.3
Net-(Q403-Pad2): Q403.2 Q983.3
Net-(Q406-Pad2): Q406.2 Q984.3
Net-(Q423-Pad3): Q423.3 Q424.2
Net-(Q424-Pad3): Q424.3 Q425.2
Net-(Q431-Pad2): Q431.2 Q432.3
Net-(Q432-Pad2): Q432.2 Q433.3
Net-(Q437-Pad2): Q437.2 Q438.3
Net-(Q438-Pad2): Q438.2 Q439.3
Net-(Q443-Pad2): Q443.2 Q444.3
Net-(Q444-Pad2): Q444.2 Q445.3
Net-(Q449-Pad2): Q449.2 Q450.3
Net-(Q450-Pad2): Q450.2 Q451.3
Net-(Q455-Pad2): Q455.2 Q456.3
Net-(Q456-Pad2): Q456.2 Q457.3
Net-(Q461-Pad2): Q461.2 Q462.3
Net-(Q462-Pad2): Q462.2 Q463.3
Net-(Q467-Pad2): Q467.2 Q468.3
Net-(Q468-Pad2): Q468.2 Q469.3
Net-(Q473-Pad2): Q473.2 Q474.3
Net-(Q474-Pad2): Q474.2 Q475.3
Net-(Q479-Pad2): Q479.2 Q480.3
Net-(Q480-Pad2): Q480.2 Q484.3
Net-(Q484-Pad2): Q484.2 Q485.3
Net-(Q485-Pad2): Q485.2 Q486.3
Net-(Q486-Pad2): Q486.2 Q490.3
Net-(Q490-Pad2): Q490.2 Q491.3
Net-(Q491-Pad2): Q491.2 Q492.3
Net-(Q494-Pad3): Q494.3 Q495.2
Net-(Q497-Pad3): Q497.3 Q498.2
Net-(Q498-Pad3): Q498.3 Q499.2
Net-(Q499-Pad3): Q499.3 Q503.2
Net-(Q503-Pad3): Q503.3 Q504.2
Net-(Q504-Pad3): Q504.3 Q505.2
Net-(Q505-Pad3): Q505.3 Q509.2
Net-(Q509-Pad3): Q509.3 Q510.2
Net-(Q510-Pad3): Q510.3 Q511.2
Net-(Q516-Pad3): Q516.3 Q517.2
Net-(Q520-Pad3): Q520.3 Q521.2
Net-(Q524-Pad3): Q524.3 Q525.2
Net-(Q528-Pad3): Q528.3 Q529.2
Net-(Q532-Pad3): Q532.3 Q533.2
Net-(Q536-Pad3): Q536.3 Q537.2
Net-(Q540-Pad3): Q540.3 Q541.2
Net-(Q544-Pad3): Q544.3 Q545.2
Net-(Q549-Pad2): Q549.2 Q550.3
Net-(Q550-Pad2): Q550.2 Q551.3
Net-(Q555-Pad2): Q555.2 Q556.3
Net-(Q556-Pad2): Q556.2 Q557.3
Net-(Q561-Pad2): Q561.2 Q562.3
Net-(Q562-Pad2): Q562.2 Q563.3
Net-(Q567-Pad2): Q567.2 Q568.3
Net-(Q568-Pad2): Q568.2 Q569.3
Net-(Q573-Pad2): Q573.2 Q574.3
Net-(Q574-Pad2): Q574.2 Q575.3
Net-(Q579-Pad2): Q579.2 Q580.3
Net-(Q580-Pad2): Q580.2 Q581.3
Net-(Q585-Pad2): Q585.2 Q586.3
Net-(Q586-Pad2): Q586.2 Q587.3
Net-(Q591-Pad2): Q591.2 Q592.3
Net-(Q592-Pad2): Q592.2 Q593.3
Net-(Q597-Pad2): Q597.2 Q598.3
Net-(Q598-Pad2): Q598.2 Q602.3
Net-(Q602-Pad2): Q602.2 Q603.3
Net-(Q603-Pad2): Q603.2 Q604.3
Net-(Q604-Pad2): Q604.2 Q608.3
Net-(Q608-Pad2): Q608.2 Q609.3
Net-(Q609-Pad2): Q609.2 Q610.3
Net-(Q613-Pad2): Q613.2 Q614.3
Net-(Q614-Pad2): Q614.2 Q615.3
Net-(Q619-Pad2): Q619.2 Q620.3
Net-(Q620-Pad2): Q620.2 Q621.3
Net-(Q625-Pad2): Q625.2 Q626.3
Net-(Q626-Pad2): Q626.2 Q627.3
Net-(Q631-Pad2): Q631.2 Q632.3
Net-(Q632-Pad2): Q632.2 Q633.3
Net-(Q637-Pad2): Q637.2 Q638.3
Net-(Q638-Pad2): Q638.2 Q639.3
Net-(Q643-Pad2): Q643.2 Q644.3
Net-(Q644-Pad2): Q644.2 Q645.3
Net-(Q652-Pad2): Q652.2 Q653.3
Net-(Q658-Pad3): Q658.3 Q659.2
Net-(Q663-Pad2): Q663.2 Q664.3
Net-(Q664-Pad2): Q664.2 Q665.3
Net-(Q672-Pad2): Q672.2 Q673.3
Net-(Q676-Pad2): Q676.2 Q677.3
Net-(Q682-Pad2): Q682.2 Q683.3
Net-(Q688-Pad2): Q688.2 Q689.3
Net-(Q693-Pad2): Q693.2 Q694.3
Net-(Q694-Pad2): Q694.2 Q695.3
Net-(Q700-Pad2): Q700.2 Q701.3
Net-(Q704-Pad2): Q704.2 Q705.3
Net-(Q708-Pad2): Q708.2 Q709.3
Net-(Q712-Pad2): Q712.2 Q713.3
Net-(Q716-Pad2): Q716.2 Q717.3
Net-(Q720-Pad2): Q720.2 Q721.3
Net-(Q724-Pad2): Q724.2 Q725.3
Net-(Q728-Pad2): Q728.2 Q729.3
Net-(Q732-Pad2): Q732.2 Q733.3
Net-(Q736-Pad2): Q736.2 Q737.3
Net-(Q740-Pad2): Q740.2 Q741.3
Net-(Q744-Pad2): Q744.2 Q745.3
Net-(Q750-Pad2): Q750.2 Q751.3
Net-(Q751-Pad2): Q751.2 Q752.3
Net-(Q752-Pad2): Q752.2 Q756.3
Net-(Q756-Pad2): Q756.2 Q757.3
Net-(Q757-Pad2): Q757.2 Q758.3
Net-(Q758-Pad2): Q758.2 Q762.3
Net-(Q762-Pad2): Q762.2 Q763.3
Net-(Q763-Pad2): Q763.2 Q764.3
Net-(Q768-Pad2): Q768.2 Q769.3
Net-(Q772-Pad2): Q772.2 Q773.3
Net-(Q776-Pad2): Q776.2 Q777.3
Net-(Q780-Pad2): Q780.2 Q781.3
Net-(Q784-Pad2): Q784.2 Q785.3
Net-(Q788-Pad2): Q788.2 Q789.3
Net-(Q792-Pad2): Q792.2 Q793.3
Net-(Q796-Pad2): Q796.2 Q797.3
Net-(Q800-Pad2): Q800.2 Q801.3
Net-(Q806-Pad2): Q806.2 Q807.3
Net-(Q807-Pad2): Q807.2 Q808.3
Net-(Q808-Pad2): Q808.2 Q812.3
Net-(Q812-Pad2): Q812.2 Q813.3
Net-(Q813-Pad2): Q813.2 Q814.3
Net-(Q814-Pad2): Q814.2 Q818.3
Net-(Q818-Pad2): Q818.2 Q819.3
Net-(Q819-Pad2): Q819.2 Q820.3
Net-(Q824-Pad2): Q824.2 Q825.3
Net-(Q829-Pad2): Q829.2 Q830.3
Net-(Q830-Pad2): Q830.2 Q831.3
Net-(Q838-Pad3): Q838.3 Q839.2
Net-(Q844-Pad3): Q844.3 Q845.2
Net-(Q850-Pad3): Q850.3 Q851.2
Net-(Q856-Pad3): Q856.3 Q857.2
Net-(Q862-Pad3): Q862.3 Q863.2
Net-(Q868-Pad3): Q868.3 Q869.2
Net-(Q874-Pad3): Q874.3 Q875.2
Net-(Q880-Pad2): Q880.2 Q881.3
Net-(Q886-Pad3): Q886.3 Q887.2
Net-(Q890-Pad2): Q890.2 Q891.3
Net-(Q894-Pad2): Q894.2 Q895.3
Net-(Q898-Pad2): Q898.2 Q899.3
Net-(Q902-Pad2): Q902.2 Q903.3
Net-(Q906-Pad2): Q906.2 Q907.3
Net-(Q910-Pad2): Q910.2 Q911.3
Net-(Q914-Pad2): Q914.2 Q915.3
Net-(Q918-Pad2): Q918.2 Q919.3
Net-(Q923-Pad2): Q923.2 Q924.3
Net-(Q924-Pad2): Q924.2 Q928.3
Net-(Q928-Pad2): Q928.2 Q929.3
Net-(Q929-Pad2): Q929.2 Q930.3
Net-(Q930-Pad2): Q930.2 Q934.3
Net-(Q934-Pad2): Q934.2 Q935.3
Net-(Q935-Pad2): Q935.2 Q936.3
Net-(Q945-Pad2): Q945.2 Q946.3
Net-(Q946-Pad2): Q946.2 Q947.3
Net-(Q950-Pad2): Q950.2 Q951.3
Net-(Q955-Pad2): Q955.2 Q956.3
Net-(Q956-Pad2): Q956.2 Q957.3
Net-(Q961-Pad2): Q961.2 Q962.3
Net-(Q962-Pad2): Q962.2 Q963.3
Net-(Q967-Pad2): Q967.2 Q968.3